# Altium PCB dashcam_cpu_v2.0.PcbDoc (part 1 of 4) (continued)
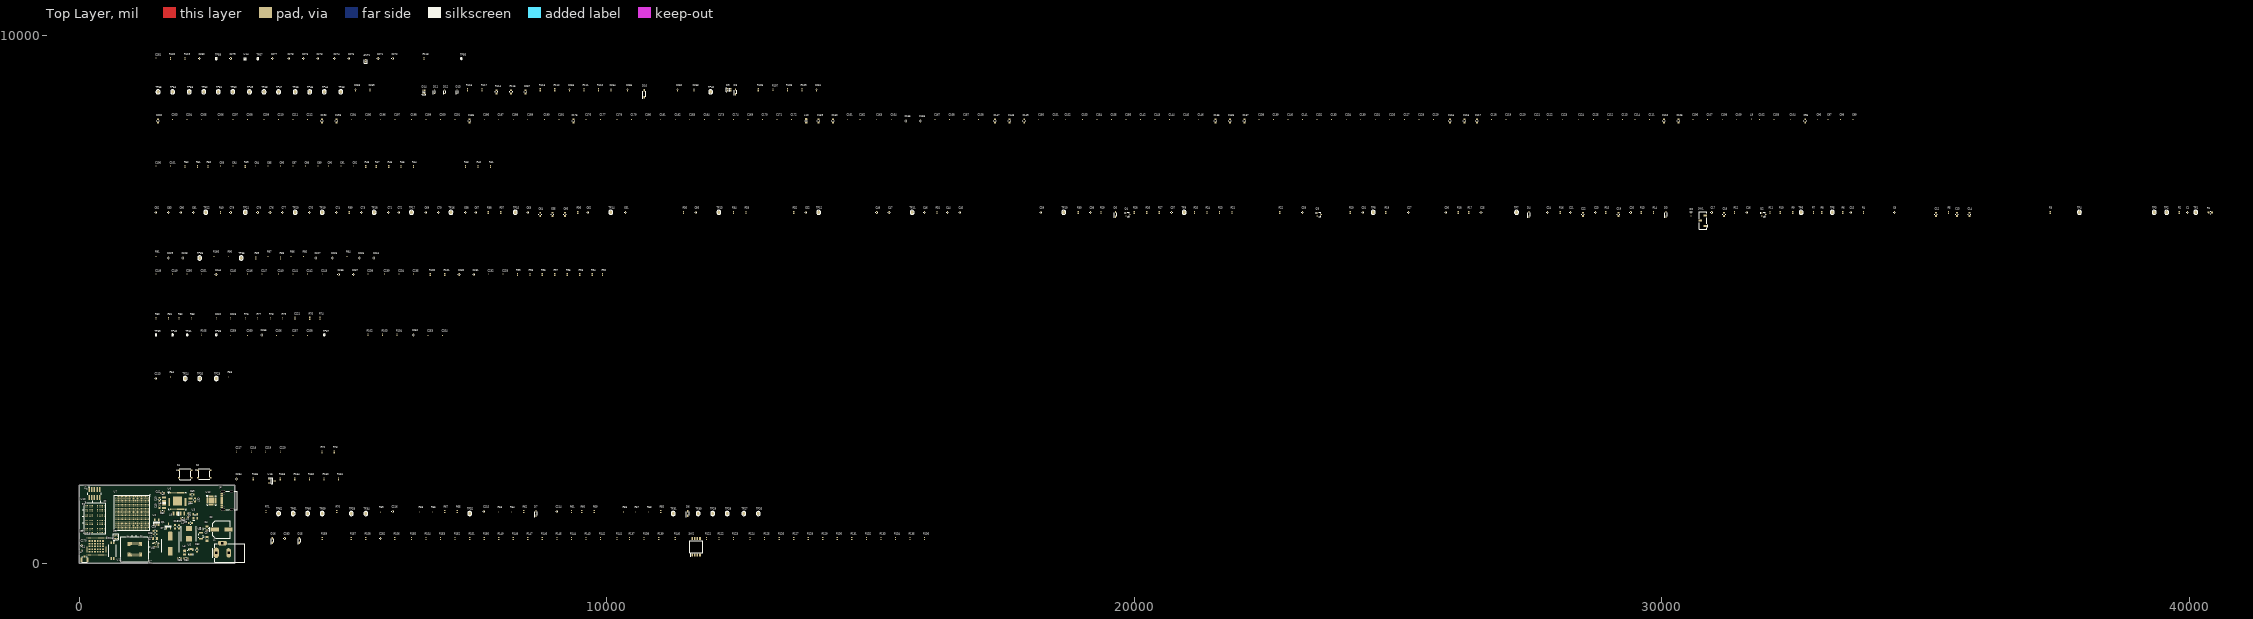
[diagram p0: Top Layer view]
## Components (designator, comment, footprint, x,y, rotation, side; value= is the part's Value field where it differs from the comment) (continued)
C117 "C1608X5R1A226M080AC" CAP_0603_CAPC1608X08N 26496.08,8383.87 r90 top
C118 "02016D105MAT2A" CAP_0201_CAPC0603X03N 26771.67,8423.24 r90 top
C119 "02016D105MAT2A" CAP_0201_CAPC0603X03N 27047.26,8423.24 r90 top
C120 "02016D105MAT2A" CAP_0201_CAPC0603X03N 27322.85,8423.24 r90 top
C121 "02016D105MAT2A" CAP_0201_CAPC0603X03N 27598.44,8423.24 r90 top
C122 "02016D105MAT2A" CAP_0201_CAPC0603X03N 27834.66,8423.24 r90 top
C123 "0201X104K100CT" CAP_0201_CAPC0603X03N 28110.25,8423.24 r90 top
C124 "0201X104K100CT" CAP_0201_CAPC0603X03N 28425.21,8423.24 r90 top
C125 "C1005X5R1A225K050BC" CAP_0201_CAPC0603X03N 28700.8,8423.24 r90 top
C126 "02016D105MAT2A" CAP_0201_CAPC0603X03N 24842.54,8423.24 r90 top
C127 "02016D105MAT2A" CAP_0201_CAPC0603X03N 25118.13,8423.24 r90 top
C128 "02016D105MAT2A" CAP_0201_CAPC0603X03N 25393.72,8423.24 r90 top
C129 "02016D105MAT2A" CAP_0201_CAPC0603X03N 25669.31,8423.24 r90 top
C130 "0201X104K100CT" CAP_0201_CAPC0603X03N 24291.35,8423.24 r90 top
C131 "C1005X5R1A225K050BC" CAP_0201_CAPC0603X03N 24566.94,8423.24 r90 top
C132 "0201X104K100CT" CAP_0201_CAPC0603X03N 23464.58,8423.24 r90 top
C133 "0201X104K100CT" CAP_0201_CAPC0603X03N 23740.17,8423.24 r90 top
C134 "C1005X5R1A225K050BC" CAP_0201_CAPC0603X03N 24015.76,8423.24 r90 top
C135 "C1608X5R1A226M080AC" CAP_0603_CAPC1608X08N 21535.45,8383.87 r90 top
C136 "C1608X5R1A226M080AC" CAP_0603_CAPC1608X08N 21811.04,8383.87 r90 top
C137 "C1608X5R1A226M080AC" CAP_0603_CAPC1608X08N 22086.63,8383.87 r90 top
C138 "02016D105MAT2A" CAP_0201_CAPC0603X03N 22362.22,8423.24 r90 top
C139 "02016D105MAT2A" CAP_0201_CAPC0603X03N 22637.81,8423.24 r90 top
C140 "02016D105MAT2A" CAP_0201_CAPC0603X03N 22913.4,8423.24 r90 top
C141 "02016D105MAT2A" CAP_0201_CAPC0603X03N 23188.99,8423.24 r90 top
C142 "0201X104K100CT" CAP_0201_CAPC0603X03N 20118.12,8423.24 r90 top
C143 "0201X104K100CT" CAP_0201_CAPC0603X03N 20393.71,8423.24 r90 top
C144 "C1005X5R1A225K050BC" CAP_0201_CAPC0603X03N 20669.3,8423.24 r90 top
C145 "0201X104K100CT" CAP_0201_CAPC0603X03N 20944.9,8423.24 r90 top
C146 "C1005X5R1A225K050BC" CAP_0201_CAPC0603X03N 21220.49,8423.24 r90 top
C147 "C1608X5R1A226M080AC" CAP_0603_CAPC1608X08N 17362.22,8383.87 r90 top
C148 "C1608X5R1A226M080AC" CAP_0603_CAPC1608X08N 17637.81,8383.87 r90 top
C149 "C1608X5R1A226M080AC" CAP_0603_CAPC1608X08N 17913.4,8383.87 r90 top
C150 "02016D105MAT2A" CAP_0201_CAPC0603X03N 18188.99,8423.24 r90 top
C151 "02016D105MAT2A" CAP_0201_CAPC0603X03N 18464.58,8423.24 r90 top
C152 "02016D105MAT2A" CAP_0201_CAPC0603X03N 18700.8,8423.24 r90 top
C153 "02016D105MAT2A" CAP_0201_CAPC0603X03N 19015.76,8423.24 r90 top
C154 "02016D105MAT2A" CAP_0201_CAPC0603X03N 19291.35,8423.24 r90 top
C155 "02016D105MAT2A" CAP_0201_CAPC0603X03N 19566.94,8423.24 r90 top
C156 "02016D105MAT2A" CAP_0201_CAPC0603X03N 19842.53,8423.24 r90 top
C157 "0201X104K100CT" CAP_0201_CAPC0603X03N 16771.66,8423.24 r90 top
C158 "C1005X5R1A225K050BC" CAP_0201_CAPC0603X03N 17047.26,8423.24 r90 top
C159 "C1608X5R1A226M080AC" CAP_0603_CAPC1608X08N 14015.76,8383.87 r90 top
C160 "C1608X5R1A226M080AC" CAP_0603_CAPC1608X08N 14291.35,8383.87 r90 top
C161 "02016D105MAT2A" CAP_0201_CAPC0603X03N 14566.94,8423.24 r90 top
C162 "02016D105MAT2A" CAP_0201_CAPC0603X03N 14803.16,8423.24 r90 top
C163 "02016D105MAT2A" CAP_0201_CAPC0603X03N 15118.12,8423.24 r90 top
C164 "02016D105MAT2A" CAP_0201_CAPC0603X03N 15393.71,8423.24 r90 top
C165 "C0402C103K8RACTU" CAP_0402_CAPC1005X05N 15669.3,8383.87 r90 top
C166 "C0402C103K8RACTU" CAP_0402_CAPC1005X05N 15944.89,8383.87 r90 top
C167 "GRM033R61A472KA01D" CAP_0201_CAPC0603X03N 16220.48,8423.24 r90 top
C168 "GRM033R61A472KA01D" CAP_0201_CAPC0603X03N 16496.07,8423.24 r90 top
C169 "0201X104K100CT" CAP_0201_CAPC0603X03N 12677.17,8423.24 r90 top
C170 "0201X104K100CT" CAP_0201_CAPC0603X03N 12952.76,8423.24 r90 top
C171 "0201X104K100CT" CAP_0201_CAPC0603X03N 13228.36,8423.24 r90 top
C172 "C1005X5R1A225K050BC" CAP_0201_CAPC0603X03N 13503.95,8423.24 r90 top
C173 "0201X104K100CT" CAP_0201_CAPC0603X03N 12125.99,8423.24 r90 top
C174 "0201X104K100CT" CAP_0201_CAPC0603X03N 12401.58,8423.24 r90 top
C175 "C1608X5R1A226M080AC" CAP_0603_CAPC1608X08N 9370.09,8383.87 r90 top
C176 "GRM033R61A472KA01D" CAP_0201_CAPC0603X03N 9606.31,8423.24 r90 top
C177 "GRM033R61A472KA01D" CAP_0201_CAPC0603X03N 9881.9,8423.24 r90 top
C178 "GRM033R61A472KA01D" CAP_0201_CAPC0603X03N 10196.86,8423.24 r90 top
C179 "GRM033R61A472KA01D" CAP_0201_CAPC0603X03N 10472.45,8423.24 r90 top
C180 "GRM033R61A472KA01D" CAP_0201_CAPC0603X03N 10748.04,8423.24 r90 top
C181 "GRM033R61A472KA01D" CAP_0201_CAPC0603X03N 11023.63,8423.24 r90 top
C182 "GRM033R61A472KA01D" CAP_0201_CAPC0603X03N 11299.22,8423.24 r90 top
C183 "GRM033R61A472KA01D" CAP_0201_CAPC0603X03N 11574.81,8423.24 r90 top
C184 "GRM033R61A472KA01D" CAP_0201_CAPC0603X03N 11850.4,8423.24 r90 top
C185 "C1608X5R1A226M080AC" CAP_0603_CAPC1608X08N 7401.58,8383.87 r90 top
C186 "0201X104K100CT" CAP_0201_CAPC0603X03N 7677.17,8423.24 r90 top
C187 "0201X104K100CT" CAP_0201_CAPC0603X03N 7952.76,8423.24 r90 top
C188 "0201X104K100CT" CAP_0201_CAPC0603X03N 8228.35,8423.24 r90 top
C189 "0201X104K100CT" CAP_0201_CAPC0603X03N 8503.94,8423.24 r90 top
C190 "0201X104K100CT" CAP_0201_CAPC0603X03N 8818.9,8423.24 r90 top
C191 "0201X104K100CT" CAP_0201_CAPC0603X03N 9094.5,8423.24 r90 top
C192 "C1608X5R1A226M080AC" CAP_0603_CAPC1608X08N 4606.3,8383.87 r90 top
C193 "C1608X5R1A226M080AC" CAP_0603_CAPC1608X08N 4881.89,8383.87 r90 top
C194 "02016D105MAT2A" CAP_0201_CAPC0603X03N 5157.49,8423.24 r90 top
C195 "02016D105MAT2A" CAP_0201_CAPC0603X03N 5433.08,8423.24 r90 top
C196 "02016D105MAT2A" CAP_0201_CAPC0603X03N 5708.67,8423.24 r90 top
C197 "02016D105MAT2A" CAP_0201_CAPC0603X03N 5984.26,8423.24 r90 top
C198 "02016D105MAT2A" CAP_0201_CAPC0603X03N 6299.22,8423.24 r90 top
C199 "02016D105MAT2A" CAP_0201_CAPC0603X03N 6574.81,8423.24 r90 top
C200 "02016D105MAT2A" CAP_0201_CAPC0603X03N 6850.4,8423.24 r90 top
C201 "02016D105MAT2A" CAP_0201_CAPC0603X03N 7125.99,8423.24 r90 top
C202 "C1608X5R1A226M080AC" CAP_0603_CAPC1608X08N 1496.07,8383.87 r90 top
C203 "02016D105MAT2A" CAP_0201_CAPC0603X03N 1771.66,8423.24 r90 top
C204 "02016D105MAT2A" CAP_0201_CAPC0603X03N 2047.25,8423.24 r90 top
C205 "02016D105MAT2A" CAP_0201_CAPC0603X03N 2322.84,8423.24 r90 top
C206 "02016D105MAT2A" CAP_0201_CAPC0603X03N 2637.8,8423.24 r90 top
C207 "02016D105MAT2A" CAP_0201_CAPC0603X03N 2913.39,8423.24 r90 top
C208 "02016D105MAT2A" CAP_0201_CAPC0603X03N 3188.98,8423.24 r90 top
C209 "02016D105MAT2A" CAP_0201_CAPC0603X03N 3503.94,8423.24 r90 top
C210 "02016D105MAT2A" CAP_0201_CAPC0603X03N 3779.53,8423.24 r90 top
C211 "02016D105MAT2A" CAP_0201_CAPC0603X03N 4055.12,8423.24 r90 top
C212 "02016D105MAT2A" CAP_0201_CAPC0603X03N 4330.71,8423.24 r90 top
C213 "GRM155R71H104KE14D" CAP_0402_CAPC1005X05N 1456.7,3501.97 r90 top
C214 "GRM155R61E105KA12D" CAP_0402_CAPC1005X05N 9055.12,982.29 r90 top
C215 "GRM155R71H104KE14D" CAP_0402_CAPC1005X05N 7677.17,982.29 r90 top
C216 "GRM155R71H104KE14D" CAP_0402_CAPC1005X05N 5944.89,982.29 r90 top
C217 "GRM0335C1H180JA01D" CAP_0201_CAPC0603X03N 2986.7,2112.29 r90 top
C218 "GRM0335C1H180JA01D" CAP_0201_CAPC0603X03N 3262.29,2112.29 r90 top
C219 "GRM0335C1H180JA01D" CAP_0201_CAPC0603X03N 3537.88,2112.29 r90 top
C220 "GRM0335C1H180JA01D" CAP_0201_CAPC0603X03N 3813.47,2112.29 r90 top
C221 "CC0402JRNPO9BN150" CAP_0402_CAPC1005X05N 4094.49,4643.71 r90 top
C222 "02016D105MAT2A" CAP_0201_CAPC0603X03N 2598.43,4643.71 r90 top
C223 "02016D105MAT2A" CAP_0201_CAPC0603X03N 2874.02,4643.71 r90 top
C224 "GRM155R61A104KA01D" CAP_0402_CAPC1005X05N 5590.56,5785.44 r90 top
C225 "GRM155R61A104KA01D" CAP_0402_CAPC1005X05N 5314.97,5785.44 r90 top
C226 "GRM155R61A104KA01D" CAP_0402_CAPC1005X05N 4803.15,5785.44 r90 top
C227 "GRM155R61A104KA01D" CAP_0402_CAPC1005X05N 4488.19,5785.44 r90 top
C228 "GRM155R61A104KA01D" CAP_0402_CAPC1005X05N 1968.51,5785.44 r90 top
C229 "GRM155R61A104KA01D" CAP_0402_CAPC1005X05N 1692.92,5785.44 r90 top
C230 "CL05A106MQ5NUNC" CAP_0402_CAPC1005X05N 7204.73,5470.48 r90 top
C231 "CL05A106MQ5NUNC" CAP_0402_CAPC1005X05N 7480.32,5470.48 r90 top
C232 "02016D105MAT2A" CAP_0201_CAPC0603X03N 7755.91,5470.48 r90 top
C233 "02016D105MAT2A" CAP_0201_CAPC0603X03N 8031.5,5470.48 r90 top
C234 "02016D105MAT2A" CAP_0201_CAPC0603X03N 6063,5470.48 r90 top
C235 "02016D105MAT2A" CAP_0201_CAPC0603X03N 6338.59,5470.48 r90 top
C236 "CL05A106MQ5NUNC" CAP_0402_CAPC1005X05N 4921.26,5470.48 r90 top
C237 "CL05A106MQ5NUNC" CAP_0402_CAPC1005X05N 5196.86,5470.48 r90 top
C238 "02016D105MAT2A" CAP_0201_CAPC0603X03N 5472.45,5470.48 r90 top
C239 "02016D105MAT2A" CAP_0201_CAPC0603X03N 5787.41,5470.48 r90 top
C240 "02016D105MAT2A" CAP_0201_CAPC0603X03N 3779.53,5470.48 r90 top
C241 "02016D105MAT2A" CAP_0201_CAPC0603X03N 4055.12,5470.48 r90 top
C242 "02016D105MAT2A" CAP_0201_CAPC0603X03N 4330.71,5470.48 r90 top
C243 "02016D105MAT2A" CAP_0201_CAPC0603X03N 4606.3,5470.48 r90 top
C244 "CL05A106MQ5NUNC" CAP_0402_CAPC1005X05N 2598.43,5470.48 r90 top
C245 "02016D105MAT2A" CAP_0201_CAPC0603X03N 2874.02,5470.48 r90 top
C246 "02016D105MAT2A" CAP_0201_CAPC0603X03N 3188.98,5470.48 r90 top
C247 "02016D105MAT2A" CAP_0201_CAPC0603X03N 3464.57,5470.48 r90 top
C248 "02016D105MAT2A" CAP_0201_CAPC0603X03N 1456.7,5470.48 r90 top
C249 "02016D105MAT2A" CAP_0201_CAPC0603X03N 1771.66,5470.48 r90 top
C250 "02016D105MAT2A" CAP_0201_CAPC0603X03N 2047.25,5470.48 r90 top
C251 "02016D105MAT2A" CAP_0201_CAPC0603X03N 2322.84,5470.48 r90 top
C252 "CL05A475KP5NRNC" CAP_0402_CAPC1005X05N 6338.59,4328.75 r90 top
C253 "LMK063BJ224MP-F" CAP_0201_CAPC0603X03N 6614.18,4328.75 r90 top
C254 "LMK063BJ224MP-F" CAP_0201_CAPC0603X03N 6889.77,4328.75 r90 top
C255 "CL05A106MQ5NUNC" CAP_0402_CAPC1005X05N 3464.57,4328.75 r90 top
C256 "LMK063BJ224MP-F" CAP_0201_CAPC0603X03N 3740.16,4328.75 r90 top
C257 "LMK063BJ224MP-F" CAP_0201_CAPC0603X03N 4055.12,4328.75 r90 top
C258 "LMK063BJ224MP-F" CAP_0201_CAPC0603X03N 4330.71,4328.75 r90 top
C259 "LMK063BJ224MP-F" CAP_0201_CAPC0603X03N 2874.02,4328.75 r90 top
C260 "02016D105MAT2A" CAP_0201_CAPC0603X03N 3188.98,4328.75 r90 top
C261 "GRM155R71H104KE14D" CAP_0402_CAPC1005X05N 13976.39,8974.42 r90 top
C262 "GRM155R61E105KA12D" CAP_0402_CAPC1005X05N 11338.59,8974.42 r90 top
C263 "GRM155R71H104KE14D" CAP_0402_CAPC1005X05N 11653.55,8974.42 r90 top
C264 "C1005X5R0J475M050BC" CAP_0402_CAPC1005X05N 10078.75,8974.42 r90 top
C265 "GRM155R61E105KA12D" CAP_0402_CAPC1005X05N 10393.71,8974.42 r90 top
C266 "CL05A475KP5NRNC" CAP_0402_CAPC1005X05N 9291.35,8974.42 r90 top
C267 "GRM188R61E106MA73D" CAP_0603_CAPC1608X08N 8464.57,8935.05 r90 top
C268 "GRM155R71H104KE14D" CAP_0402_CAPC1005X05N 5236.23,8974.42 r90 top
C269 "GRM155R71H104KE14D" CAP_0402_CAPC1005X05N 5511.82,8974.42 r90 top
C270 "GJM1555C1H100FB01D" CAP_0402_CAPC1005X05N 50,340 r270 top
C271 "GJM1555C1H100FB01D" CAP_0402_CAPC1005X05N 5669.3,9564.97 r90 top
C272 "GJM1555C1H100FB01D" CAP_0402_CAPC1005X05N 5944.89,9564.97 r90 top
C273 "CL05B104KO5NNNC" CAP_0402_CAPC1005X05N 4527.56,9564.97 r90 top
C274 "GRM155C81A105KA12D" CAP_0402_CAPC1005X05N 4842.52,9564.97 r90 top
C275 "CL05B104KO5NNNC" CAP_0402_CAPC1005X05N 5118.12,9564.97 r90 top
C276 "CL05A475KP5NRNC" CAP_0402_CAPC1005X05N 4251.97,9564.97 r90 top
C277 "CL05A475KP5NRNC" CAP_0402_CAPC1005X05N 3661.42,9564.97 r90 top
C278 "CL05B104KO5NNNC" CAP_0402_CAPC1005X05N 3976.38,9564.97 r90 top
C279 "GRM155C81A105KA12D" CAP_0402_CAPC1005X05N 2874.02,9564.97 r90 top
C280 "GRM155C81A105KA12D" CAP_0402_CAPC1005X05N 2283.47,9564.97 r90 top
C281 "LMK063BJ224MP-F" CAP_0201_CAPC0603X03N 1456.7,9564.97 r90 top
C282 "GRM155R71H104KE14D" CAP_0402_CAPC1005X05N 5708.67,470.48 r90 top
C283 "GRM155R71H104KE14D" CAP_0402_CAPC1005X05N 3897.64,470.48 r90 top
C284 "GRM155R71H104KE14D" CAP_0402_CAPC1005X05N 2986.7,1600.48 r90 top
D1 "PMEG100V060ELPDZ" DIO_SCKTY_PMEG060V100EPDAZ 2400,192.24 r0 bottom
D2 "BZX585-B3V3,115" DIO_ZENER_BZX585B3V3115 30551.2,6612.21 r0 top
D3 "ZLLS400TA" DIO_SOD2512X113N 30078.76,6612.21 r90 top
D4 "ZLLS400TA" DIO_SOD2512X113N 27480.33,6612.21 r90 top
D5 "ZLLS400TA" DIO_SOD2512X113N 19645.68,6612.21 r90 top
D6 "ZLLS400TA" DIO_SOD2512X113N 11535.44,942.92 r90 top
D7 "ZLLS400TA" DIO_SOD2512X113N 8661.42,942.92 r90 top
D8 "ZLLS400TA" DIO_SOD2512X113N 12440.95,8935.05 r90 top
D9 "LTST-C195KGJRKT" DIO_LED0606_LTST-C195 12322.84,8974.42 r0 top
D10 "1N5819HW-7-F" DIO_SOD3716X145N 10708.67,8895.68 r90 top
D11 "PESD5V0S1BB,115" DIO_TVS_SODFL1608X65N 6732.29,8935.05 r90 top
D12 "PESD5V0S1BB,115" DIO_TVS_SODFL1608X65N 6929.14,8935.05 r90 top
D13 "PESD5V0S1BB,115" DIO_TVS_SODFL1608X65N 7165.36,8935.05 r90 top
D14 "LTST-C195KGJRKT" DIO_LED0606_LTST-C195 6535.44,8935.05 r90 top
D15 "ZLLS400TA" DIO_SOD2512X113N 4173.23,431.11 r90 top
D16 "ZLLS400TA" DIO_SOD2512X113N 3661.42,431.11 r90 top
FL1 "DEA075150HT-8036A1" RF_FILTER_HP_DEA075150HT8036A1 50,241.34 r90 top
J1 "PJ-202AH" CONN_CUI_PJ-202AH 2854.33,196.85 r0 top
J2 "20021121-00010C4LF" CONN_HDR_MALE_10P_2R 290,1320 r0 top
J3 "TYPE-C 16PIN 2MD(073)" CONN_USB_C_16P 2890,1190 r90 top
J4 "U.FL-R-SMT-1(10)" CONN_UFL_U.FL-R-SMT-1(10) 100,70 r0 top
J5 "DF40C-100DS-0.4V(51)" CONN_B2B_HIROSE_DF40C-100DS-0.4V(51) 1294.41,119.37 r0 bottom
J6 "DF40C-100DS-0.4V(51)" CONN_B2B_HIROSE_DF40C-100DS-0.4V(51) 927.87,1350.63 r180 bottom
L1 "744311150" IND_WE-HCI_7030/7040/705023 2080,560 r90 top
L2 "MCKK2012TR47M" IND_0805_INDC2012X10N 1440,472.6 r180 top
L3 "MCKK2012TR47M" IND_0805_INDC2012X10N 2000,200.32 r270 top
L4 "WPN252012H1R0MT" IND_WPN252012H1R0MT 1610,1212.48 r90 top
L5 "WPN252012H1R0MT" IND_WPN252012H1R0MT 1610,1080 r270 top
L6 "WPN252012H1R0MT" IND_WPN252012H1R0MT 1960,940 r0 top
L7 "WPN252012H1R0MT" IND_WPN252012H1R0MT 2110,1197.36 r90 top
L8 "WPN252012H1R0MT" IND_WPN252012H1R0MT 1822.48,940 r180 top
L9 "BLM03AX241SN1D" IND_0201_FERRITE_BEAD 31692.93,8423.24 r90 top
L10 "BLM18PG121SH1D" IND_0603_INDC1608X08N 13779.54,8383.87 r90 top
Q1 "IRLML6401TRPBF" TRANS_FET_CH_P_SOT95P237X125-3N 1692.6,703.31 r90 top
Q2 "2SK3018-TP" SOT-323 31929.15,6612.21 r0 top
Q3 "RYU002N05T306" SOT-323 23503.95,6612.21 r0 top
Q4 "2SK3018-TP" SOT-323 19881.9,6612.21 r0 top
R1 "RK73H1JTTD3R30F" RES_0603_RESC1608X04N 40393.72,6651.58 r0 top
R2 "ERJ-2GE0R00X" RES_0402_RESC1005X04N 39803.17,6651.58 r90 top
R3 "CR0402-FX-1004GLF" RES_0402_RESC1005X04N 37362.23,6651.58 r90 top
R4 "ERJ-2RKF4422X" RES_0402_RESC1005X04N 33818.92,6651.58 r90 top
R5 "ERJ-2RKF4422X" RES_0402_RESC1005X04N 35433.09,6651.58 r90 top
R6 "ERJ-2RKF4993X" RES_0402_RESC1005X04N 33425.22,6651.58 r90 top
R7 "ERJ-2RKF4990X" RES_0402_RESC1005X04N 32874.04,6651.58 r90 top
R8 "ERJ-2GEJ103X" RES_0402_RESC1005X04N 33031.52,6651.58 r90 top
R9 "ERJ-2GEJ103X" RES_0402_RESC1005X04N 32480.33,6651.58 r90 top
R10 "RC0402FR-07100KL" RES_0402_RESC1005X04N 32244.11,6651.58 r90 top
R11 "ERJ-2RKF9531X" RES_0402_RESC1005X04N 32047.26,6651.58 r90 top
R12 "RC0402FR-07100KL" RES_0402_RESC1005X04N 31377.97,6651.58 r90 top
R13 "ERJ-2RKF1000X" RES_0402_RESC1005X04N 29606.32,6651.58 r90 top
R14 "RC0402FR-076K98L" RES_0402_RESC1005X04N 29842.54,6651.58 r90 top
R15 "RK73H1ETTP5602F" RES_0402_RESC1005X04N 28937.03,6651.58 r90 top
R16 "ERJ-2GEJ103X" RES_0402_RESC1005X04N 28070.88,6651.58 r90 top
R17 "ERJ-2GE0R00X" RES_0402_RESC1005X04N 26338.6,6651.58 r90 top
R18 "CR0402-FX-1004GLF" RES_0402_RESC1005X04N 26141.75,6651.58 r90 top
R19 "RK73H1ETTP7153F" RES_0402_RESC1005X04N 24763.79,6651.58 r90 top
R20 "CR0402-FX-2403GLF" RES_0402_RESC1005X04N 24094.5,6651.58 r90 top
R21 "RK73H1ETTP1803F" RES_0402_RESC1005X04N 21850.41,6651.58 r90 top
R22 "ERJ-2GEJ103X" RES_0402_RESC1005X04N 22755.92,6651.58 r90 top
R23 "ERJ-2GE0R00X" RES_0402_RESC1005X04N 21614.19,6651.58 r90 top
R24 "RK73H1ETTP3603F" RES_0402_RESC1005X04N 21377.97,6651.58 r90 top
R25 "ERJ-2GEJ103X" RES_0402_RESC1005X04N 21141.75,6651.58 r90 top
R26 "ERJ-2GEJ103X" RES_0402_RESC1005X04N 20236.23,6651.58 r90 top
R27 "RC0402FR-07100KL" RES_0402_RESC1005X04N 20472.45,6651.58 r90 top
R28 "RK73H1ETTP3603F" RES_0402_RESC1005X04N 20000.01,6651.58 r90 top
R29 "ERJ-2GEJ103X" RES_0402_RESC1005X04N 19370.09,6651.58 r90 top
R30 "RC0402FR-07100KL" RES_0402_RESC1005X04N 18937.02,6651.58 r90 top
R31 "ERJ-2GE0R00X" RES_0402_RESC1005X04N 16259.85,6651.58 r90 top
R32 "ERJ-2GEJ103X" RES_0402_RESC1005X04N 13543.32,6651.58 r90 top
R33 "ERJ-2GE0R00X" RES_0402_RESC1005X04N 12637.8,6651.58 r90 top
R34 "ERJ-2GE0R00X" RES_0402_RESC1005X04N 12401.58,6651.58 r90 top
R35 "ERJ-2GE0R00X" RES_0402_RESC1005X04N 11456.7,6651.58 r90 top
R36 "ERJ-2GE0R00X" RES_0402_RESC1005X04N 9448.83,6651.58 r90 top
R37 "ERJ-2GE0R00X" RES_0402_RESC1005X04N 7992.13,6651.58 r90 top
R38 "ERJ-2GE0R00X" RES_0402_RESC1005X04N 7755.91,6651.58 r90 top
R39 "ERJ-2GE0R00X" RES_0402_RESC1005X04N 5118.12,6651.58 r90 top
R40 "CRCW040256R0JNED" RES_0402_RESC1005X04N 2677.17,6651.58 r90 top
R41 "ERJ-2GE0R00X" RES_0402_RESC1005X04N 7795.28,7517.72 r90 top
R42 "ERJ-2GE0R00X" RES_0402_RESC1005X04N 7559.06,7517.72 r90 top
R43 "ERJ-2GE0R00X" RES_0402_RESC1005X04N 7322.84,7517.72 r90 top
R44 "ERJ-2GE0R00X" RES_0402_RESC1005X04N 6338.59,7517.72 r90 top
R45 "ERJ-2GE0R00X" RES_0402_RESC1005X04N 6102.37,7517.72 r90 top
R46 "ERJ-2GE0R00X" RES_0402_RESC1005X04N 5866.15,7517.72 r90 top
R47 "ERJ-2GE0R00X" RES_0402_RESC1005X04N 5629.93,7517.72 r90 top
R48 "ERJ-2GE0R00X" RES_0402_RESC1005X04N 5433.08,7517.72 r90 top
R49 "ERJ-2GE0R00X" RES_0402_RESC1005X04N 3149.61,7517.72 r90 top
R50 "ERJ-2GE0R00X" RES_0402_RESC1005X04N 2440.95,7517.72 r90 top
R51 "ERJ-2GE0R00X" RES_0402_RESC1005X04N 2244.1,7517.72 r90 top
R52 "ERJ-2GE0R00X" RES_0402_RESC1005X04N 2007.88,7517.72 r90 top
R53 "RC0201FR-0710KL" RES_0201_RESC0603X02N 2834.65,3541.34 r90 top
R54 "RC0201FR-07240RL" RES_0201_RESC0603X02N 1732.29,3541.34 r90 top
R55 "ERJ-2RKF1000X" RES_0402_RESC1005X04N 11023.63,982.29 r90 top
R56 "RC0201FR-0710KL" RES_0201_RESC0603X02N 10314.97,982.29 r90 top
R57 "RC0201FR-0710KL" RES_0201_RESC0603X02N 10551.19,982.29 r90 top
R58 "RC0201FR-0710KL" RES_0201_RESC0603X02N 10787.41,982.29 r90 top
R59 "ERJ-2GE0R00X" RES_0402_RESC1005X04N 9763.79,982.29 r90 top
R60 "ERJ-2GE0R00X" RES_0402_RESC1005X04N 9527.57,982.29 r90 top
R61 "ERJ-2GE0R00X" RES_0402_RESC1005X04N 9330.72,982.29 r90 top
R62 "ERJ-2GE0R00X" RES_0402_RESC1005X04N 8425.2,982.29 r90 top
R63 "RK73B1HTTC472J" RES_0201_RESC0603X02N 7952.76,982.29 r90 top
R64 "RC0201FR-07100KL" RES_0201_RESC0603X02N 8188.98,982.29 r90 top
R65 "CR0402-FX-1501GLF" RES_0402_RESC1005X04N 7165.36,982.29 r90 top
R66 "RC0201FR-07100KL" RES_0201_RESC0603X02N 6692.92,982.29 r90 top
R67 "ERJ-2GE0R00X" RES_0402_RESC1005X04N 6929.14,982.29 r90 top
R68 "RC0201FR-0710KL" RES_0201_RESC0603X02N 6456.7,982.29 r90 top
R69 "RC0201FR-0710KL" RES_0201_RESC0603X02N 5708.67,982.29 r90 top
R70 "ERJ-2RKF1000X" RES_0402_RESC1005X04N 4881.89,982.29 r90 top
R71 "ERJ-2RKF1000X" RES_0402_RESC1005X04N 3543.31,982.29 r90 top
R72 "CR0402-FX-1004GLF" RES_0402_RESC1005X04N 4600.87,2112.29 r90 top
R73 "CR0402-FX-1004GLF" RES_0402_RESC1005X04N 4837.09,2112.29 r90 top
R74 "ERJ-2GE0R00X" RES_0402_RESC1005X04N 4566.93,4643.71 r90 top
R75 "ERJ-2GE0R00X" RES_0402_RESC1005X04N 4370.08,4643.71 r90 top
R76 "RK73B1HTTC472J" RES_0201_RESC0603X02N 3149.61,4643.71 r90 top
R77 "RK73B1HTTC472J" RES_0201_RESC0603X02N 3385.83,4643.71 r90 top
R78 "RK73B1HTTC472J" RES_0201_RESC0603X02N 3622.05,4643.71 r90 top
R79 "RK73B1HTTC472J" RES_0201_RESC0603X02N 3858.27,4643.71 r90 top
R80 "RK73B1HTTC472J" RES_0201_RESC0603X02N 1456.7,4643.71 r90 top
R81 "RK73B1HTTC472J" RES_0201_RESC0603X02N 1692.92,4643.71 r90 top
R82 "RK73B1HTTC472J" RES_0201_RESC0603X02N 1889.77,4643.71 r90 top
R83 "RK73B1HTTC472J" RES_0201_RESC0603X02N 2125.99,4643.71 r90 top
R84 "RC0201FR-078K2L" RES_0201_RESC0603X02N 5078.74,5824.81 r90 top
R85 "RC0201FR-078K2L" RES_0201_RESC0603X02N 4251.97,5824.81 r90 top
R86 "RC0201FR-0710KL" RES_0201_RESC0603X02N 4015.75,5824.81 r90 top
R87 "RC0201FR-078K2L" RES_0201_RESC0603X02N 3582.68,5824.81 r90 top
R88 "ERJ-2GE0R00X" RES_0402_RESC1005X04N 3818.9,5785.44 r90 top
R89 "ERJ-2GE0R00X" RES_0402_RESC1005X04N 3346.46,5785.44 r90 top
R90 "RC0201FR-07200RL" RES_0201_RESC0603X02N 2834.65,5824.81 r90 top
R91 "RC0201FR-07200RL" RES_0201_RESC0603X02N 1456.7,5824.81 r90 top
R92 "ERJ-2GE0R00X" RES_0402_RESC1005X04N 9921.27,5470.48 r90 top
R93 "ERJ-2GEJ103X" RES_0402_RESC1005X04N 9488.2,5470.48 r90 top
R94 "ERJ-2GEJ103X" RES_0402_RESC1005X04N 9724.42,5470.48 r90 top
R95 "ERJ-2GE0R00X" RES_0402_RESC1005X04N 9251.98,5470.48 r90 top
R96 "ERJ-2GEJ103X" RES_0402_RESC1005X04N 8779.53,5470.48 r90 top
R97 "ERJ-2GEJ103X" RES_0402_RESC1005X04N 9015.75,5470.48 r90 top
R98 "RC0402FR-07240RL" RES_0402_RESC1005X04N 8543.31,5470.48 r90 top
R99 "RC0402FR-07240RL" RES_0402_RESC1005X04N 8307.09,5470.48 r90 top
R100 "CR0402-FX-1500GLF" RES_0402_RESC1005X04N 6653.55,5470.48 r90 top
R101 "CR0402-FX-1500GLF" RES_0402_RESC1005X04N 6929.14,5470.48 r90 top
R102 "RC0201FR-0710KL" RES_0201_RESC0603X02N 5472.45,4328.75 r90 top
R103 "RC0201FR-0710KL" RES_0201_RESC0603X02N 5748.04,4328.75 r90 top
R104 "RC0201FR-0710KL" RES_0201_RESC0603X02N 6023.63,4328.75 r90 top
R105 "RC0201FR-0710KL" RES_0201_RESC0603X02N 2322.84,4328.75 r90 top
R106 "ERJ-2GE0R00X" RES_0402_RESC1005X04N 12874.02,8974.42 r90 top
R107 "RK73B1HTTC472J" RES_0201_RESC0603X02N 13149.62,8974.42 r90 top
R108 "ERJ-2RKF1001X" RES_0402_RESC1005X04N 13425.21,8974.42 r90 top
R109 "ERJ-2RKF1001X" RES_0402_RESC1005X04N 13700.8,8974.42 r90 top
R110 "ERJ-2GE0R00X" RES_0402_RESC1005X04N 9842.53,8974.42 r90 top
R111 "ERJ-2GE0R00X" RES_0402_RESC1005X04N 9566.94,8974.42 r90 top
R112 "ERJ-2GE0R00X" RES_0402_RESC1005X04N 9015.75,8974.42 r90 top
R113 "ERJ-2GE0R00X" RES_0402_RESC1005X04N 8740.16,8974.42 r90 top
R114 "RC0603FR-075K1L" RES_0603_RESC1608X04N 7913.39,8935.05 r90 top
R115 "RC0603FR-075K1L" RES_0603_RESC1608X04N 8188.98,8935.05 r90 top
R116 "ERJ-2RKF1001X" RES_0402_RESC1005X04N 7362.21,8974.42 r90 top
R117 "ERJ-2RKF1001X" RES_0402_RESC1005X04N 7637.8,8974.42 r90 top
R118 "ERJ-2GE0R00X" RES_0402_RESC1005X04N 6535.44,9564.97 r90 top
R119 "ERJ-2GEJ103X" RES_0402_RESC1005X04N 2007.88,9564.97 r90 top
R120 "ERJ-2RKF1202X" RES_0402_RESC1005X04N 1732.29,9564.97 r90 top
R121 "ERJ-2RKF1001X" RES_0402_RESC1005X04N 11889.77,470.48 r90 top
R122 "ERJ-2RKF1001X" RES_0402_RESC1005X04N 12125.99,470.48 r90 top
R123 "ERJ-2RKF1001X" RES_0402_RESC1005X04N 12401.58,470.48 r90 top
R124 "ERJ-2RKF1001X" RES_0402_RESC1005X04N 12716.54,470.48 r90 top
R125 "ERJ-2RKF1001X" RES_0402_RESC1005X04N 12992.13,470.48 r90 top
R126 "ERJ-2RKF1001X" RES_0402_RESC1005X04N 13267.73,470.48 r90 top
R127 "ERJ-2RKF1001X" RES_0402_RESC1005X04N 13543.32,470.48 r90 top
R128 "ERJ-2RKF1001X" RES_0402_RESC1005X04N 13818.91,470.48 r90 top
R129 "ERJ-2RKF1001X" RES_0402_RESC1005X04N 14094.5,470.48 r90 top
R130 "ERJ-2RKF1001X" RES_0402_RESC1005X04N 14370.09,470.48 r90 top
R131 "ERJ-2RKF1001X" RES_0402_RESC1005X04N 14645.68,470.48 r90 top
R132 "ERJ-2RKF1001X" RES_0402_RESC1005X04N 14921.27,470.48 r90 top
R133 "ERJ-2RKF1001X" RES_0402_RESC1005X04N 15196.86,470.48 r90 top
R134 "ERJ-2RKF1001X" RES_0402_RESC1005X04N 15472.45,470.48 r90 top
R135 "ERJ-2RKF1001X" RES_0402_RESC1005X04N 15748.04,470.48 r90 top
R136 "ERJ-2RKF1001X" RES_0402_RESC1005X04N 16023.63,470.48 r90 top
R137 "ERJ-2RKF1001X" RES_0402_RESC1005X04N 10433.08,470.48 r90 top
R138 "ERJ-2RKF1001X" RES_0402_RESC1005X04N 10708.67,470.48 r90 top
R139 "ERJ-2RKF1001X" RES_0402_RESC1005X04N 10984.26,470.48 r90 top
R140 "ERJ-2RKF1001X" RES_0402_RESC1005X04N 11299.22,470.48 r90 top
R141 "ERJ-2RKF1001X" RES_0402_RESC1005X04N 10196.86,470.48 r90 top
R142 "ERJ-2RKF1001X" RES_0402_RESC1005X04N 9881.9,470.48 r90 top
R143 "ERJ-2RKF1001X" RES_0402_RESC1005X04N 9606.31,470.48 r90 top
R144 "ERJ-2RKF1001X" RES_0402_RESC1005X04N 9330.72,470.48 r90 top
R145 "ERJ-2RKF1001X" RES_0402_RESC1005X04N 9055.12,470.48 r90 top
R146 "ERJ-2RKF1001X" RES_0402_RESC1005X04N 8779.53,470.48 r90 top
R147 "ERJ-2RKF1001X" RES_0402_RESC1005X04N 8503.94,470.48 r90 top
R148 "ERJ-2RKF1001X" RES_0402_RESC1005X04N 8228.35,470.48 r90 top
R149 "ERJ-2RKF1001X" RES_0402_RESC1005X04N 7952.76,470.48 r90 top
R150 "ERJ-2RKF1001X" RES_0402_RESC1005X04N 7677.17,470.48 r90 top
R151 "ERJ-2RKF4701X" RES_0402_RESC1005X04N 7401.58,470.48 r90 top
R152 "ERJ-2RKF1001X" RES_0402_RESC1005X04N 7125.99,470.48 r90 top
R153 "ERJ-2RKF4701X" RES_0402_RESC1005X04N 6850.4,470.48 r90 top
R154 "ERJ-2RKF4701X" RES_0402_RESC1005X04N 6574.81,470.48 r90 top
R155 "ERJ-2RKF4701X" RES_0402_RESC1005X04N 6299.22,470.48 r90 top
R156 "ERJ-2RKF1001X" RES_0402_RESC1005X04N 5984.26,470.48 r90 top
R157 "RC0402FR-07100KL" RES_0402_RESC1005X04N 5157.49,470.48 r90 top
R158 "ERJ-2GEJ103X" RES_0402_RESC1005X04N 5433.08,470.48 r90 top
R159 "ERJ-2GE0R00X" RES_0402_RESC1005X04N 4606.3,470.48 r90 top
R160 "ERJ-2GEJ103X" RES_0402_RESC1005X04N 4640.24,1600.48 r90 top
R161 "ERJ-2GE0R00X" RES_0402_RESC1005X04N 4915.83,1600.48 r90 top
R162 "CR0402-FX-1004GLF" RES_0402_RESC1005X04N 4364.65,1600.48 r90 top
R163 "RC0402FR-07100KL" RES_0402_RESC1005X04N 3813.47,1600.48 r90 top
R164 "ERJ-2GEJ103X" RES_0402_RESC1005X04N 4089.06,1600.48 r90 top
R165 "ERJ-2GEJ103X" RES_0402_RESC1005X04N 3301.66,1600.48 r90 top
R166 "RC0201FR-0710KL" RES_0201_RESC0603X02N 2559.06,5824.81 r90 top
S1 "PTS526SK15SMTR2LFS" SWT_NO_PTS526SK15SMTR2LFS 2010,1690 r0 top
S2 "PTS526SK15SMTR2LFS" SWT_NO_PTS526SK15SMTR2LFS 2370.65,1691.11 r0 top
SW1 "JS102011JCQN" SW_JS102011JCQN 30787.42,6494.1 r90 top
SW2 "218-4LPSTR" SW_DIP_SOIC127P844X265-8N 11692.92,313 r90 top
SW3 "218-2LPSTR" SW_DIP_2P_2182LPSTR 633.43,241.34 r180 top
TP1 "NO COMPONENT" TP_PAD_1.6MM_SMD_ROUND 40118.13,6651.58 r90 top
TP2 "NO COMPONENT" TP_PAD_1.6MM_SMD_ROUND 39566.95,6651.58 r90 top
TP3 "NO COMPONENT" TP_PAD_1.6MM_SMD_ROUND 39330.73,6651.58 r90 top
TP4 "NO COMPONENT" TP_PAD_1.6MM_SMD_ROUND 37913.41,6651.58 r90 top
TP5 "NO COMPONENT" TP_PAD_1.6MM_SMD_ROUND 33228.37,6651.58 r90 top
TP6 "NO COMPONENT" TP_PAD_1.6MM_SMD_ROUND 32637.81,6651.58 r90 top
TP7 "NO COMPONENT" TP_PAD_1.6MM_SMD_ROUND 27244.11,6651.58 r90 top
TP8 "NO COMPONENT" TP_PAD_1.6MM_SMD_ROUND 24527.57,6651.58 r90 top
TP9 "NO COMPONENT" TP_PAD_1.6MM_SMD_ROUND 20944.9,6651.58 r90 top
TP10 "NO COMPONENT" TP_PAD_1.6MM_SMD_ROUND 18661.43,6651.58 r90 top
TP11 "NO COMPONENT" TP_PAD_1.6MM_SMD_ROUND 15787.41,6651.58 r90 top
TP12 "NO COMPONENT" TP_PAD_1.6MM_SMD_ROUND 14015.76,6651.58 r90 top
TP13 "NO COMPONENT" TP_PAD_1.6MM_SMD_ROUND 12125.99,6651.58 r90 top
TP14 "NO COMPONENT" TP_PAD_1.6MM_SMD_ROUND 10078.75,6651.58 r90 top
TP15 "NO COMPONENT" TP_PAD_1.6MM_SMD_ROUND 8267.72,6651.58 r90 top
TP16 "NO COMPONENT" TP_PAD_1.6MM_SMD_ROUND 7047.25,6651.58 r90 top
TP17 "NO COMPONENT" TP_PAD_1.6MM_SMD_ROUND 6299.22,6651.58 r90 top
TP18 "NO COMPONENT" TP_PAD_1.6MM_SMD_ROUND 5590.56,6651.58 r90 top
TP19 "NO COMPONENT" TP_PAD_1.6MM_SMD_ROUND 4606.3,6651.58 r90 top
TP20 "NO COMPONENT" TP_PAD_1.6MM_SMD_ROUND 4094.49,6651.58 r90 top
TP21 "NO COMPONENT" TP_PAD_1.6MM_SMD_ROUND 3149.61,6651.58 r90 top
TP22 "NO COMPONENT" TP_PAD_1.6MM_SMD_ROUND 2401.58,6651.58 r90 top
TP23 "NO COMPONENT" TP_PAD_1.6MM_SMD_ROUND 2598.43,3501.97 r90 top
TP24 "NO COMPONENT" TP_PAD_1.6MM_SMD_ROUND 2007.88,3501.97 r90 top
TP25 "NO COMPONENT" TP_PAD_1.6MM_SMD_ROUND 2283.47,3501.97 r90 top
TP26 "NO COMPONENT" TP_PAD_1.6MM_SMD_ROUND 12874.02,942.92 r90 top
TP27 "NO COMPONENT" TP_PAD_1.6MM_SMD_ROUND 12598.43,942.92 r90 top
TP28 "NO COMPONENT" TP_PAD_1.6MM_SMD_ROUND 12283.47,942.92 r90 top
TP29 "NO COMPONENT" TP_PAD_1.6MM_SMD_ROUND 12007.88,942.92 r90 top
TP30 "NO COMPONENT" TP_PAD_1.6MM_SMD_ROUND 11732.29,942.92 r90 top